# Allegro board FMDEMOD-Long.brd (continued)
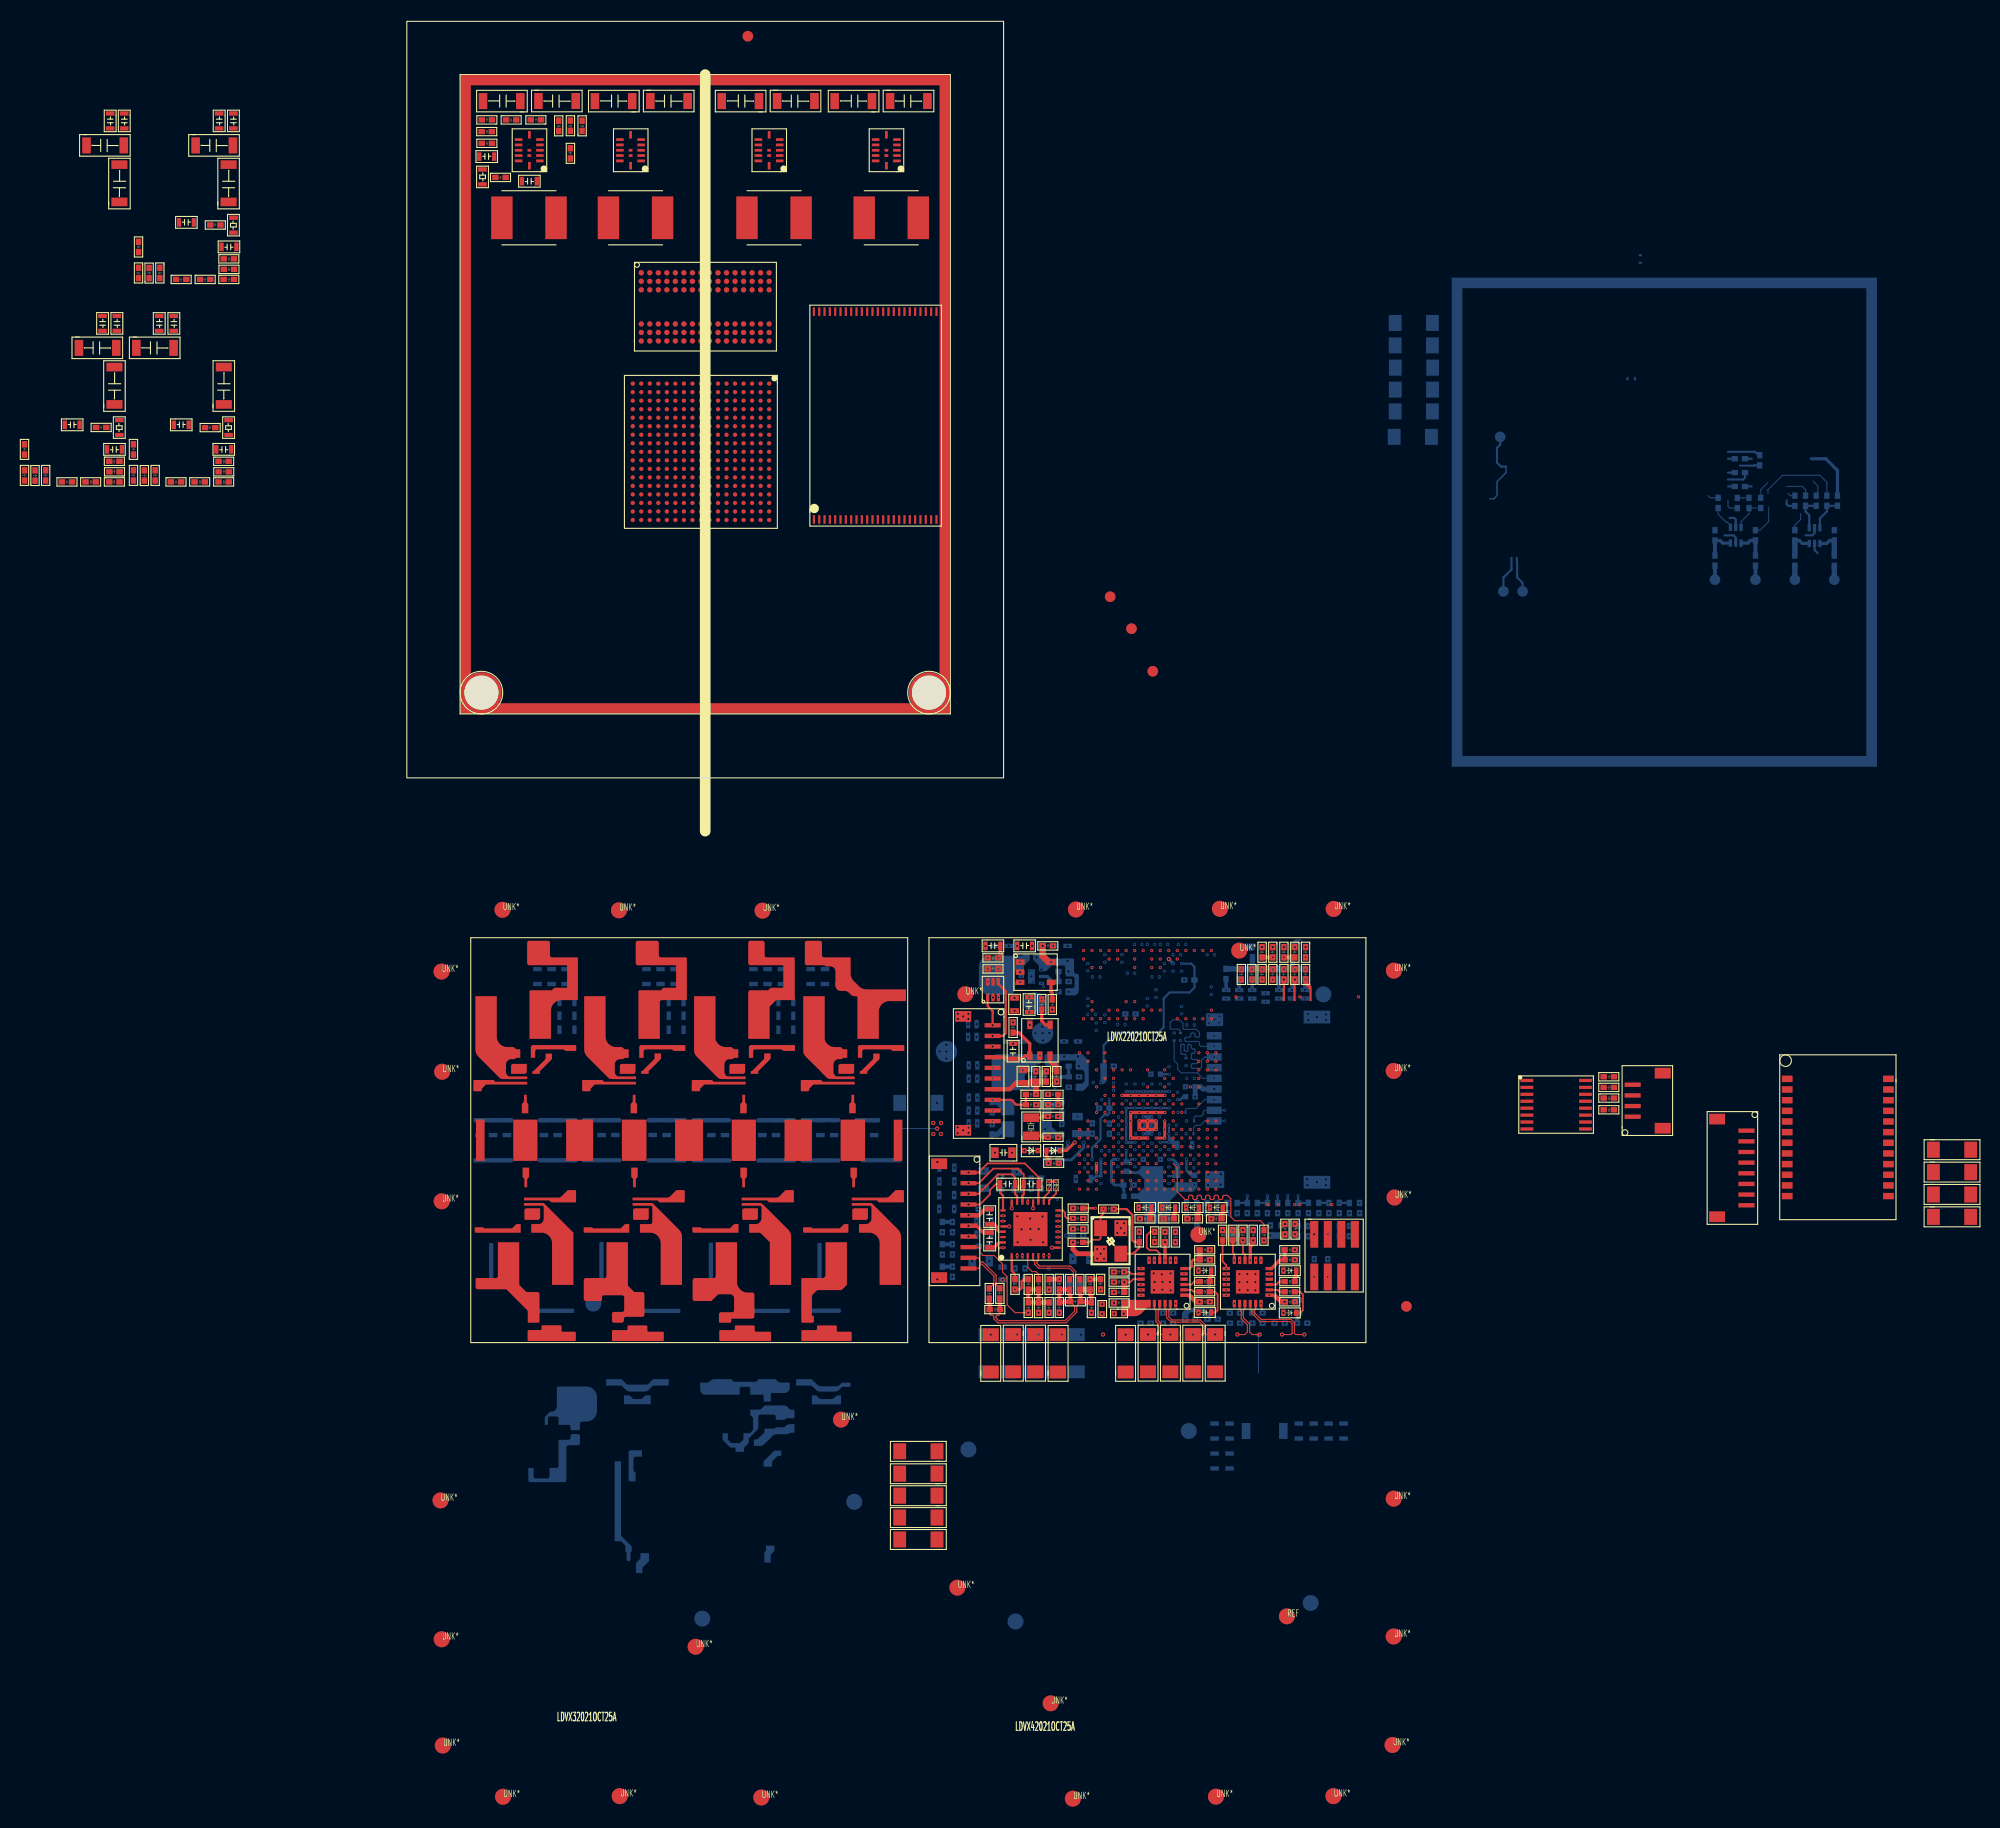
[diagram p0: board, top side]
## Footprints (pads in the part's own frame, mm; a bottom-side part is the same pattern mirrored in y, then rotated) (continued)
TSSOP-16
  rect 0.3x1.2 smd: 1(0,-5.5) 2(0.65,-5.5) 3(1.3,-5.5) 4(1.95,-5.5) 5(2.6,-5.5) 6(3.25,-5.5) 7(3.9,-5.5) 8(4.55,-5.5) 9(4.55,0) 10(3.9,0) 11(3.25,0) 12(2.6,0) 13(1.95,0) 14(1.3,0) 15(0.65,0) 16(0,0)
TSX-3225-4P
  rect 1.5x1.2 smd: 1(0.43,0.3) 2(2.83,0.3) 3(2.83,2.2) 4(0.43,2.2)
unnamed#2
  round 1.5 smd: (0,0)
VFBGA-96
  round 0.5 smd: A1(0,0) A2(0.8,0) A3(1.6,0) A7(4.8,0) A8(5.6,0) A9(6.4,0) B1(0,-0.8) B2(0.8,-0.8) B3(1.6,-0.8) B7(4.8,-0.8) B8(5.6,-0.8) B9(6.4,-0.8) C1(0,-1.6) C2(0.8,-1.6) C3(1.6,-1.6) C7(4.8,-1.6) C8(5.6,-1.6) C9(6.4,-1.6) D1(0,-2.4) D2(0.8,-2.4) D3(1.6,-2.4) D7(4.8,-2.4) D8(5.6,-2.4) D9(6.4,-2.4) E1(0,-3.2) E2(0.8,-3.2) E3(1.6,-3.2) E7(4.8,-3.2) E8(5.6,-3.2) E9(6.4,-3.2) F1(0,-4) F2(0.8,-4) F3(1.6,-4) F7(4.8,-4) F8(5.6,-4) F9(6.4,-4) G1(0,-4.8) G2(0.8,-4.8) G3(1.6,-4.8) G7(4.8,-4.8) G8(5.6,-4.8) G9(6.4,-4.8) H1(0,-5.6) H2(0.8,-5.6) H3(1.6,-5.6) H7(4.8,-5.6) H8(5.6,-5.6) H9(6.4,-5.6) J1(0,-6.4) J2(0.8,-6.4) J3(1.6,-6.4) J7(4.8,-6.4) J8(5.6,-6.4) J9(6.4,-6.4) K1(0,-7.2) K2(0.8,-7.2) K3(1.6,-7.2) K7(4.8,-7.2) K8(5.6,-7.2) K9(6.4,-7.2) L1(0,-8) L2(0.8,-8) L3(1.6,-8) L7(4.8,-8) L8(5.6,-8) L9(6.4,-8) M1(0,-8.8) M2(0.8,-8.8) M3(1.6,-8.8) M7(4.8,-8.8) M8(5.6,-8.8) M9(6.4,-8.8) N1(0,-9.6) N2(0.8,-9.6) N3(1.6,-9.6) N7(4.8,-9.6) N8(5.6,-9.6) N9(6.4,-9.6) P1(0,-10.4) P2(0.8,-10.4) P3(1.6,-10.4) P7(4.8,-10.4) P8(5.6,-10.4) P9(6.4,-10.4) R1(0,-11.2) R2(0.8,-11.2) R3(1.6,-11.2) R7(4.8,-11.2) R8(5.6,-11.2) R9(6.4,-11.2) T1(0,-12) T2(0.8,-12) T3(1.6,-12) T7(4.8,-12) T8(5.6,-12) T9(6.4,-12)
WSON-6
  rect 0.5x0.3 smd: 1(-0.952,0.648) 2(-0.952,-0.002) 3(-0.952,-0.652) 4(0.948,-0.652) 5(0.948,-0.002) 6(0.948,0.648)
  rect 0.65x1.35 smd: 7(0,0)

## Nets
3V3_AUDIO: C412.1 C419.1 L33.2 R268.2 U15.8 U15.10 U15.32
3V3_MCU: C515.2 C539.1 C591.1 U41.5(\VCC\) U42.5(\VCC\) U47.16(\VCC\)
5V_AUDIO: C401.2 C403.2 C404.1 C408.1 L31.2 U15.21 U15.26
GND: C1.1 C2.1 C3.1 C4.1 C5.1 C6.1 C7.1 C8.1 C9.1 C10.1 C11.1 C12.1 C13.2 C14.1 C15.1 C16.1 C17.1 C18.1 C19.1 C20.1 C21.2 C22.1 C23.1 C24.1 C25.1 C26.1 C27.2 C32.1 C33.1 C34.1 C35.1 C36.1 C37.1 C42.2 C43.2 C44.2 C45.2 C46.2 C47.1 C48.1 C49.1 C50.1 C51.1 C52.1 C53.1 C54.1 C55.1 C56.1 C57.1 C58.1 C59.1 C60.1 C92.1 C93.1 C94.2 C95.1 C96.2 C98.1 C99.2 C100.2 C101.2 C102.2 C110.2 C112.2 C113.2 C114.2 C245.2 C246.2 C247.2 C248.2 C249.1 C250.1 C251.1 C252.1 C253.2 C254.2 C255.2 C256.2 C257.2 C258.2 C259.2 C260.1 C261.1 C262.1 C263.1 C264.1 C265.1 C266.1 C267.1 C268.1 C269.1 C270.1 C271.1 C273.2 C274.2 C275.1 C276.1 C277.1 C278.2 C279.2 C280.2 C282.2 C283.1 C284.1 C285.1 C286.2 C287.2 C288.2 C289.2 C290.1 C291.1 C292.1 C294.2 C295.1 C296.1 C297.1 C298.1 C299.2 C300.2 C301.2 C302.2 C303.2 C304.2 C305.2 C306.2 C307.2 C308.2 C309.1 C310.2 C311.2 C312.2 C313.2 C314.2 C315.2 C316.2 C317.2 C318.2 C319.2 C320.2 C321.2 C322.1 C323.2 C324.2 C325.1 C326.1 C327.1 C328.1 C329.1 C330.1 C331.1 C332.1 C333.1 C334.1 C335.2 C336.2 C337.2 C338.1 C339.1 C340.1 C341.1 C342.1 C343.1 C344.1 C345.1 C346.1 C347.1 C348.1 C349.2 C350.2 C351.2 C352.2 C353.2 C354.2 C355.2 C356.2 C357.2 C358.2 C359.2 C360.2 C361.1 C362.2 C363.2 C388.2 C389.2 C390.1 C391.2 C392.2 C393.2 C395.2 C396.2 C397.2 C398.1 C399.2 C400.2 C405.2 C418.2 C430.2 C444.2 C475.2 C476.1 C477.1 C496.1 C497.1 C515.1 C539.2 C591.2 C607.2 C611.2 D26.2 D27.2 D28.2 D29.2 D30.2 D31.2 D32.2 D33.2 D34.2 D35.1 D36.1 D37.2 D38.2 D39.2 J1.3 J1.M1 J1.M2(\M2\) J5.6(\VSS\) J5.10 J5.11 J5.12 J5.13 J6.M1 J6.M2(\M2\) J21.M1 J21.M2(\M2\) R1.1 R4.1 R5.1 R6.1 R7.1 R8.1 R9.1 R16.2 R23.1 R24.1 R25.1 R26.1 R28.1 R31.1 R34.1 R37.1 R39.1 R40.1 R42.1 R44.1 R46.1 R79.2 R81.2 R93.1 R199.1 R200.1 R201.2 R203.2 R212.1 R213.1 R216.1 R222.1 R223.1 R228.2 R234.2 R236.1 R237.1 R239.1 R242.1 R243.1 R244.1 R246.1 R247.1 R249.1 R250.1 R251.1 R252.1 R253.1 R256.1 R259.1 R261.1 R262.1 R263.1 R266.2 R267.2 R271.1 R272.1 TP6.1(\TP\) TP7.1(\TP\) U1.2 U2.A9 U2.B1 U2.B3 U2.B9 U2.D1 U2.D8 U2.E1 U2.E2 U2.E8 U2.F9 U2.G1 U2.G8 U2.G9 U2.J2 U2.J8 U2.M1 U2.M9 U2.P1 U2.P9 U2.T1 U2.T9 U3.2 U4.2 U5.1 U5.12 U6.1 U6.12 U7.1 U7.12 U8.1 U8.12 U9.13 U9.25 U9.36 U9.48 U10.A1 U10.A17 U10.C3 U10.C7 U10.C11 U10.C15 U10.E8 U10.E11 U10.F6 U10.F7 U10.F8 U10.F9 U10.F10 U10.F11 U10.F12 U10.G3 U10.G5 U10.G7 U10.G12 U10.G15 U10.H7 U10.H12 U10.J5 U10.J7 U10.J12 U10.K7 U10.K12 U10.L3 U10.L7 U10.L12 U10.M7 U10.M8 U10.M9 U10.M10 U10.M11 U10.M12 U10.N3 U10.N5 U10.N7 U10.R3 U10.R5 U10.R7 U10.R11 U10.R16 U10.R17 U10.T14 U10.U1 U10.U14 U10.U17 U16.25 U17.25 U34.3 U34.7 U35.3 U35.7 U41.2 U42.2 U47.15 UNK3VBATTERY1.2 Y2.2 Y2.4
GNDA: C121.2 C122.2 C123.1 C394.2 C401.1 C402.2 C403.1 C404.2 C406.1 C407.1 C408.2 C409.2 C410.2 C411.2 C412.2 C417.2 C419.2 C424.2 C425.2 J2.7 J2.M1 J2.M2(\M2\) R103.1 R112.1 R254.2 R263.2 R264.2 R269.2 U15.9 U15.20 U15.24 U15.28 U15.33
VBAT_IN: C42.1 C43.1 C44.1 C45.1 C52.2 C53.2 C54.2 C55.2 C56.2 C57.2 C58.2 C59.2 C325.2 C326.2 C327.2 C328.2 C329.2 C330.2 C331.2 C332.2 C333.2 C334.2 C335.1 C336.1 C337.1 C338.2 C339.2 C340.2 C341.2 C342.2 C343.2 C344.2 C345.2 C346.2 C347.2 R27.2 R30.2 R33.2 R36.2 R41.2 R43.2 R45.2 R47.2 U5.3(\VIN#3\) U5.14 U6.3(\VIN#3\) U6.14 U7.3(\VIN#3\) U7.14 U8.3(\VIN#3\) U8.14
VDD_ARM_CAP: C323.1 C353.1 C355.1 C356.1 C357.1 U10.G9 U10.G10 U10.G11 U10.H11
VDD_COIN_3V: D2.2 R48.1 UNK3VBATTERY1.1
VDD_HIGH_CAP: C310.1 C317.1 C389.1 C396.1 U10.N6 U10.R14 U10.R15
VDD_HIGH_IN: C392.1 C405.1 L32.2 U10.N13
VDD_SNVS_3V3: C2.2 C3.2 D1.2 U1.5(\OUT\)
VDD_SNVS_IN: C363.1 D1.1(\CATHODE\) D2.1(\CATHODE\) R48.2 U10.P12
VDD_SOC_CAP: C311.1 C312.1 C313.1 C314.1 C315.1 C316.1 C320.1 C321.1 C352.1 C354.1 C358.1 U10.G8 U10.H8 U10.J8 U10.J11 U10.K8 U10.K11 U10.L8 U10.L9 U10.L10 U10.L11
VDD_SOC_IN: C295.2 C296.2 C318.1 C319.1 C324.1 C350.1 C351.1 R219.1 R221.2 R224.1 U10.H9 U10.H10 U10.J9 U10.J10 U10.K9 U10.K10 U35.1
VDD_SOC_IN_IN: C297.2 C298.2 R219.2 TP9.1(\TP\) U35.4 U35.6
VDD_SOC_IN_PWR: C8.2 C9.2 C19.2 C25.2 C40.1 C263.2 C264.2 C265.2 C275.2 C283.2 C290.2 L4.2 R19.2
VDDA_ADC_3P3: C362.1 C391.1 L28.2 U10.L13 U10.M13
232_TXD: J21.2 R345.1 R368.2
A0: U2.N3 U10.L5
A1: U2.P7 U10.H2
A2: U2.P3 U10.K1
A3: U2.N2 U10.M2
A4: U2.P8 U10.K4
A5: U2.P2 U10.L1
A6: U2.R8 U10.G2
A7: U2.R2 U10.H4
A8: U2.T8 U10.J4
A9: U2.R3 U10.L2
A10: U2.L7 U10.M4
A11: U2.R7 U10.K3
A12: U2.N7 U10.L4
A13: U2.T3 U10.H3
A14: U2.T7 U10.G1
A15: U2.M7 U10.K5
ARM_ONOFF: R90.2 U10.R8
AUD_INT: U10.P9 U15.15
AUDIO_OUT: R114.1
BA0: U2.M2 U10.M1
BA1: U2.N8 U10.H1
BA2: U2.M3 U10.K2
BOOT_MODE0: R226.2 R227.2 U10.T10
BOOT_MODE1: R232.2 R233.2 U10.U10
CAS: U2.K3 U10.J2
CK0N: R211.1 U2.K7 U10.P2
CK0P: R211.2 U2.J7 U10.P1
CKE0: R199.2 U2.K9 U10.M3
CKE1: R200.2 U2.J9 U10.J3
CPU_RST_FPGA: TP45.1(\TP\) U10.N17
CPU_RST_MCU: R281.2 U10.M15
CPU_UART1_RXD: U3.6 U10.K16
CPU_UART1_TXD: U3.3 U10.K14
CPU_UART2_RXD: R285.2 R312.1
CPU_UART2_TXD: R284.2 R318.1
CPU_UART3_RXD: R117.2 U10.H16
CPU_UART3_TXD: R283.2 U10.H17
CPU_UART4_RXD: R282.1 U10.G16
CPU_UART4_RXD_X: R282.2 R376.1
CPU_UART4_TXD: R286.1 U10.G17
CPU_UART4_TXD_X: R286.2 R296.1
CS0: U2.L2 U10.N2
CS1: U2.L1 U10.H5
D0: U2.E3 U10.T4
D1: U2.F7 U10.U6
D2: U2.F2 U10.T6
D3: U2.F8 U10.U7
D4: U2.H3 U10.U8
D5: U2.H8 U10.T8
D6: U2.G2 U10.T5
D7: U2.H7 U10.U4
D8: U2.D7 U10.U2
D9: U2.C3 U10.U3
D10: U2.C8 U10.U5
D11: U2.C2 U10.R4
D12: U2.A7 U10.P5
D13: U2.A2 U10.P3
D14: U2.B8 U10.R2
D15: U2.A3 U10.R1
DCDC_3V3: C13.1 C14.2 C15.2 C16.2 C92.2 C93.2 C247.1 C248.1 C418.1 J5.4 L11.1 L23.1 L24.1 L25.1 L26.1 L27.1 L28.1 L29.1 L30.1 L32.1 L33.1 R2.1 R3.1 R21.2 R73.1 R74.1 R82.1 R83.1 R84.1 R85.1 R90.1 R205.1 R206.1 R207.1 R208.1 R209.1 R210.1 R226.1 R232.1 R245.1 R248.1 R255.1 R257.1 R260.1 TP10.1(\TP\) U3.5(\VCC\) U9.12 U9.34 U9.37 U9.39
DCDC_3V3_PWR: C6.2 C7.2 C18.2 C24.2 C39.1 C266.2 C267.2 C268.2 C276.2 C284.2 C291.2 L3.2 R18.2
DCDC_5V: C1.2 C12.2 C21.1 C398.2 L1.1 L6.1 L31.1 R10.1 R11.1 TP8.1(\TP\) U1.1 U1.3 U4.5
DCDC_5V_PWR: C4.2 C5.2 C17.2 C23.2 C38.1 C269.2 C270.2 C271.2 C277.2 C285.2 C292.2 L2.2 R17.2
DQM0: U2.E7 U10.T7
DQM1: U2.D3 U10.T3
DRAM_1V35: C245.1 C246.1 C249.2 C250.2 C253.1 C254.1 C255.1 C256.1 C258.1 C259.1 C274.1 C278.1 C279.1 C280.1 C282.1 C286.1 C287.1 C288.1 C289.1 C293.1 C303.1 C304.1 C305.1 C306.1 C307.1 C308.1 R202.1 R204.2 R214.1 R215.2 U2.A1 U2.A8 U2.B2 U2.C1 U2.C9 U2.D2 U2.D9 U2.E9 U2.F1 U2.G7 U2.H2 U2.H9 U2.K2 U2.K8 U2.N1 U2.N9 U2.R1 U2.R9 U10.G6 U10.H6 U10.J6 U10.K6 U10.L6 U10.M6 U34.1
DRAM_1V35_IN: C251.2 C252.2 R202.2 TP5.1(\TP\) U34.4 U34.6
DRAM_1V35_PWR: C10.2 C11.2 C20.2 C26.2 C41.1 C260.2 C261.2 C262.2 L5.2 R20.2
DRAM_VREF: C257.1 C273.1 C293.2 C294.1 C299.1 C302.1 R215.1 R216.2 U2.H1 U2.M8 U10.P4
E1R+: R128.2 T1.2
E1R-: R127.2 T1.3
E1T+: R126.2 T1.5
E1T-: R125.2 T1.6
E2R+: R124.2 T1.8
E2R-: R123.2 T1.9
E2T+: R122.2 T1.11
E2T-: R121.2 T1.12
ECSPI3_CS0: R284.1 U10.J17
ECSPI3_MISO: R116.1 U10.H14
ECSPI3_MOSI: R115.1 U10.J15
ECSPI3_SCLK: R285.1 U10.J16
ENET1_CRS_DV: U10.E16 U17.11
ENET1_LED1: R99.1 U17.3
ENET1_LED2: R108.1 U17.2
ENET1_NINT: R265.1 U10.N8 U17.14
ENET1_NRST: C430.1 R270.1 U10.N10 U17.15
ENET1_RX+: J6.8 T1.23
ENET1_RX-: J6.7 T1.22
ENET1_RXD0: U10.F16 U17.8
ENET1_RXD1: U10.E17 U17.7
ENET1_RXER: R93.2 U10.D15 U17.10
ENET1_RXN: R127.1 R276.1 U17.22
ENET1_RXP: R128.1 R275.1 U17.23
ENET1_TX+: J6.6 T1.20
ENET1_TX-: J6.5 T1.19
ENET1_TX_CLK: R94.2 U10.F14
ENET1_TXD0: U10.E15 U17.17
ENET1_TXD1: U10.E14 U17.18
ENET1_TXEN: U10.F15 U17.16
ENET1_TXN: R125.1 R278.1 U17.20
ENET1_TXP: R126.1 R277.1 U17.21
ENET2_CRS_DV: U10.B17 U16.11
ENET2_LED1: R98.1 U16.3
ENET2_LED2: R107.1 U16.2
ENET2_NINT: R97.1 U10.N11 U16.14
ENET2_NRST: C110.1 R100.1 U10.N9 U16.15
ENET2_RX+: J6.4 T1.17
ENET2_RX-: J6.3 T1.16
ENET2_RXD0: U10.C17 U16.8
ENET2_RXD1: U10.C16 U16.7
ENET2_RXER: R95.1 U10.D16 U16.10
ENET2_RXN: R123.1 R274.1 U16.22
ENET2_RXP: R124.1 R273.1 U16.23
ENET2_TX+: J6.2 T1.14
ENET2_TX-: J6.1 T1.13
ENET2_TX_CLK: R96.2 U10.D17
ENET2_TXD0: U10.A15 U16.17
ENET2_TXD1: U10.A16 U16.18
ENET2_TXEN: U10.B15 U16.16
ENET2_TXN: R121.1 R280.1 U16.20
ENET2_TXP: R122.1 R279.1 U16.21
ENET_MDC: R91.1 U10.L16 U16.13 U17.13
ENET_MDIO: R92.1 U10.K17 U16.12 U17.12
FPGA_RST_CPU: TP46.1(\TP\)
FPGA_RST_MCU: R152.2
FPGA_SPI2_CS: R147.2
FPGA_SPI2_MISO: R333.2
FPGA_SPI2_MOSI: R149.2
FPGA_SPI2_SCLK: R325.2
FPGA_SPI_CS: R318.2
FPGA_SPI_MISO: R143.2
FPGA_SPI_MOSI: R141.2
FPGA_SPI_SCLK: R312.2
FPGA_UART2_RXD: TP50.1(\TP\)
FPGA_UART2_TXD: TP49.1(\TP\)
FPGA_UART_RXD: R296.2
FPGA_UART_TXD: R376.2
GPIO1_IO1: D5.1(\CATHODE\) U10.L15
GPIO1_IO2: D6.1(\CATHODE\) U10.L14
GPIO1_IO3: D3.1(\CATHODE\) U10.L17
GPIO1_IO4: D4.1(\CATHODE\) U10.M16
HP_L: C97.1 U15.31
HP_R: C83.1 U15.29
HPD: R268.1 R269.1 U15.7
I2C2_SCL: R74.2 U10.F17 U15.17
I2C2_SDA: R73.2 U10.G13 U15.18
LASER_TXD: J21.3 R335.1 R372.2
LCD_DATA0: R1.2 R2.2 U10.B9
LCD_DATA1: R3.2 R4.2 U10.A9
LCD_DATA2: R5.2 U10.E10
LCD_DATA3: R8.2 U10.D10
LCD_DATA4: R9.2 U10.C10
LCD_DATA5: R241.1 R242.2 U10.B10
LCD_DATA6: R237.2 R238.1 U10.A10
LCD_DATA7: R236.2 R258.1 U10.D11
LCD_DATA8: R244.2 U10.B11
LCD_DATA9: R243.2 U10.A11
LCD_DATA10: R7.2 U10.E12
LCD_DATA11: R239.2 R240.1 U10.D12
LCD_DATA12: R259.2 U10.C12
LCD_DATA13: R247.2 R248.2 U10.B12
LCD_DATA14: R245.2 R246.2 U10.A12
LCD_DATA15: R6.2 U10.D13
LCD_DATA16: R261.2 U10.C13
LCD_DATA17: R251.2 U10.B13
LCD_DATA18: R249.2 U10.A13
LCD_DATA19: R253.2 U10.D14
LCD_DATA20: R262.2 U10.C14
LCD_DATA21: R252.2 U10.B14
LCD_DATA22: R250.2 U10.A14
LCD_DATA23: R256.2 U10.B16
MCU_RST_CPU: R120.1
MCU_RST_FPGA: TP43.1(\TP\)
MCU_SPI2_MISO: R333.1
MCU_SPI2_MOSI: R149.1
MCU_SPI2_NSS: R147.1
MCU_SPI2_SCK: R325.1
MCU_UART1_RXD: R283.1
MCU_UART1_TXD: R117.1
MCU_UART3_RXD: R331.1
MCU_UART3_TXD: R324.1
MCU_UART4_RXD: R338.1 TP47.1(\TP\)
MCU_UART4_TXD: R332.1 TP48.1(\TP\)
MIC1_IN: J2.8 R111.2 R114.2
MIC1P: C107.2 U15.4
MIC2N: C108.2 U15.5
MIC2N_IN: J2.9 R110.1
MIC2N_IN2: C108.1 C111.2 C122.1 R104.2 R110.2 R113.1
MIC2P: C109.2 U15.6
MIC2P_IN: J2.10 R109.2
MIC2P_IN2: C109.1 C111.1 C123.2 R105.1 R109.1 R113.2
MICBIAS: R101.1 U15.1
NAND_ALE: U9.17 U10.B4
NAND_CLE: U9.16 U10.A4
NAND_D0: U9.29 U10.D7
NAND_D1: U9.30 U10.B7
NAND_D2: U9.31 U10.A7
NAND_D3: U9.32 U10.D6
NAND_D4: U9.41 U10.C6
NAND_D5: U9.42 U10.B6
NAND_D6: U9.43 U10.A6
NAND_D7: U9.44 U10.A5
NAND_DQS: U9.35 U10.E6
NAND_NCE0: R255.2 U9.9 U10.C5
NAND_NRDY: R257.2 U9.7 U10.A3
NAND_NRE: U9.8 U10.D8
NAND_NWE: U9.18 U10.C8
NAND_NWP: R260.2 U9.19(\W\\P\\\) U10.D5
NRST_CPU: C46.1 R21.1 R120.2 U10.P8(\P\\O\\R\\\)
NRST_FPGA: TP44.1(\TP\)
NRST_MCU: R152.1 R281.1
NVCC_CSI: C300.1 L23.2 U10.F4
NVCC_ENET: C393.1 C400.1 L30.2 U10.F13
NVCC_GPIO: C360.1 L27.2 U10.J13
NVCC_LCD: C388.1 C395.1 L29.2 U10.E13
NVCC_NAND: C309.2 L25.2 U10.E7
NVCC_SD: C301.1 L24.2 U10.C4
NVCC_UART: C359.1 L26.2 U10.H13
ODT0: U2.K1 U10.N1
ODT1: U2.J1 U10.F1
PHY1_3V3: C113.1 C444.1 L34.2 R275.2 R276.2 R277.2 R278.2 U17.1 U17.19
PHY2_3V3: C112.1 C114.1 L12.2 R273.2 R274.2 R279.2 R280.2 U16.1 U16.19
PHY_UART_RX1: J21.4 R348.1 R371.2
PMIC_ON_REQ: R225.2 U10.T9
POWER_GOOD: R32.1 R44.2 R45.1 R46.2 R47.1 U6.5 U7.9 U8.9
RAS: U2.J3 U10.M5
RST_B: R213.2 U2.T2 U10.G4
SAI2_BCLK: U10.N16 U15.12
SAI2_MCLK: U10.P14 U15.11
SAI2_RXD: R81.1 U10.M14 U15.16
SAI2_SYNC: U10.N15 U15.13
SAI2_TXD: U10.N14 U15.14
SD1_CD: D31.1 J5.9 R210.2 U10.J14
SD1_CLK: R218.1 U10.C1
SD1_CMD: R229.1 U10.C2
SD1_DATA0: R220.1 U10.B3
SD1_DATA1: R217.1 U10.B2
SD1_DATA2: R235.1 U10.B1
SD1_DATA3: R230.1 U10.A2
SDQS0N: C281.2 U2.G3 U10.P7
SDQS0P: C281.1 U2.F3 U10.P6
SDQS1N: C272.2 U2.B7 U10.T2
SDQS1P: C272.1 U2.C7 U10.T1
SDWE: U2.L3 U10.J1
SPK_LN: C73.2 C406.2 J2.3 U15.23
SPK_LP: C73.1 C407.2 J2.4 U15.25
SPK_RN: C74.2 C394.1 J2.1 U15.19
SPK_RP: C74.1 C402.1 J2.2 U15.22
TTL_TXD: J21.1 R350.1 R369.2
USB_OTG1_DN: D38.1 J1.9 U10.T15
USB_OTG1_DP: D39.1 J1.10 U10.U15
USB_OTG1_ID: D37.1 J1.8 R22.1 R39.2 U10.K13
USB_OTG1_VBUS: C36.2 C37.2 C390.2 J1.7 L6.2 R22.2 U10.T12
USB_OTG2_DN: D35.2 J1.5 U10.T13
USB_OTG2_DP: D36.2 J1.6 U10.U13
USB_OTG2_VBUS: C361.2 L1.2 U10.U12
USB_VBUS: C27.1 J1.4 R11.2 U4.1(\OUT\)
VENET_3V3: C94.1 C96.1 D7.2 D8.2 D9.2 D10.2 L11.2 L12.1 L34.1 R91.2 R92.2 R95.2 R97.2 R100.2 R265.2 R270.2 U16.9 U17.9
XTALI: C95.2 R80.1 U10.T16 Y2.3
XTALO: C98.2 R80.2 U10.T17 Y2.1
ZQ0: R203.1 U2.L8(\ZQ\)
ZQ1: R201.1 U2.L9
ZQPAD: R223.2 U10.N4
N4007879: C349.1 U10.N12
N4008796: C397.1 C399.1 U10.P13
N4087915: C51.2 U10.T11 Y1.2
N4087935: C60.2 U10.U11 Y1.1
N4129499: D3.2 R82.2
N4198004: C322.2 C348.2 U10.R12
N4201231: C424.1 U15.3
N4201841: C425.1 U15.2
N4206925: R79.1 U10.P15
N4209990: R271.2 U17.24
N4216158: D8.1(\CATHODE\) R99.2
N4216162: D10.1(\CATHODE\) R108.2
N4216453: C100.1 C101.1 U17.6
N4219956: R94.1 U17.5
N4226540: D7.1(\CATHODE\) R98.2
N4226544: D9.1(\CATHODE\) R107.2
N4226630: C99.1 C102.1 U16.6
N4226754: R272.2 U16.24
N4226762: R96.1 U16.5
N4244964: C476.2 T1.1
N4245046: C497.2 T1.10
N4245050: C477.2 T1.4
N4245054: C496.2 T1.7
N4254817: R300.1 T1.24
N4254839: R301.1 T1.21
N4254858: R302.1 T1.18
N4255061: R303.1 T1.15
N4255753: C475.1 R300.2 R301.2 R302.2 R303.2
N4949904: D4.2 R83.2
N4950154: D5.2 R84.2
N4950158: D6.2 R85.2
N4962302: R10.2 U4.4
N4962318: R16.1 U4.3
N4966591: C431.1 R105.2 R106.1
N4966598: C431.2 R103.2 R104.1
N4966923: R101.2 R102.2 R106.2
N4969505: C409.1 C411.1 U15.27(\VMID\)
N4971120: C107.1 C121.1 R102.1 R111.1 R112.2
N6357472: C97.2 C417.1 J2.6 R264.1
N6357497: C83.2 C410.1 J2.5 R254.1
N7057664: J3.1 R267.1
N7057668: J3.2 R266.1
N7060478: J3.7 R238.2 R240.2
N7060523: J3.8 R241.2 R258.2
N7084975: D26.1 J5.1 R205.2 R235.2
N7085009: D27.1 J5.2 R206.2 R230.2
N7085027: D28.1 J5.3 R207.2 R229.2
N7085069: D32.1 J5.5 R218.2
N7085119: D29.1 J5.7 R208.2 R220.2
N7085137: D30.1 J5.8 R209.2 R217.2
N7099288: D33.1 J1.1 U3.1
N7119824: C596.1 U47.1
N7119928: C601.1 U47.4
N7119940: C607.1 U47.2
N7119964: C596.2 U47.3
N7119992: C611.1 U47.6
N7120000: C601.2 U47.5
N7120004: R322.2 R324.2 U41.3
N7120715: R322.1 TP53.1(\TP\)
N7120840: R329.1 TP54.1(\TP\)
N7121019: R336.1 TP51.1(\TP\)
N7121024: R330.1 TP52.1(\TP\)
N7132397: R371.1 U47.14
N7132401: R368.1 U47.7
N7132405: R372.1 U47.13
N7132409: R369.1 U47.8
N7132815: R349.2 R350.2 U42.3
N7132819: R334.2 R335.2 U42.1
N7301618: R329.2 R331.2 U42.4
N7301681: R330.2 R332.2 U41.1
N7301693: R336.2 R338.2 U42.6
N7303091: R346.1 U47.11
N7303129: R347.1 U47.10
N7303150: R349.1 U47.12
N7303177: R334.1 U47.9
N7304159: R345.2 R346.2 U41.4
N7304177: R347.2 R348.2 U41.6
N7355971: R115.2 R141.1
N7356015: R116.2 R143.1
N7869909: D34.1 J1.2 U3.4
N8015227: R227.1 R228.1
N8015335: R233.1 R234.1
N8184194: R27.1 R28.2 U5.4
N8184251: R40.2 R41.1 U5.9
N8184327: C35.2 R29.2 U5.11
N8184405: R29.1 U5.5
N8184729: C47.2 U5.6
N8185005: R12.1 U5.10
N8185024: C28.1 L2.1 U5.2 U5.13
N8185070: C28.2 R12.2
N8185163: C38.2 U5.8
N8185326: R17.1 R23.2 U5.7
N8189530: R13.1 U6.10
N8189538: C29.2 R13.2
N8189634: C29.1 L3.1 U6.2 U6.13
N8189912: R30.1 R31.2 U6.4
N8189916: R42.2 R43.1 R225.1 U6.9
N8189928: C39.2 U6.8
N8189952: R18.1 R24.2 U6.7
N8190068: C32.2 R32.2 U6.11
N8190080: C48.2 U6.6
N8193321: R14.1 U7.10
N8193329: C30.2 R14.2
N8193425: C30.1 L4.1 U7.2 U7.13
N8193703: R33.1 R34.2 U7.4
N8193719: C40.2 U7.8
N8193743: R19.1 R25.2 U7.7
N8193859: C33.2 R35.2 U7.11
N8193871: C49.2 U7.6
N8193943: R35.1 U7.5
N8195603: R15.1 U8.10
N8195611: C31.2 R15.2
N8195707: C31.1 L5.1 U8.2 U8.13
N8195985: R36.1 R37.2 U8.4
N8196001: C41.2 U8.8
N8196025: R20.1 R26.2 U8.7
N8196141: C34.2 R38.2 U8.11
N8196153: C50.2 U8.6
N8196225: R38.1 U8.5
N8206279: C22.2 U1.4
N8420934: R204.1 R212.2 U34.2
N8425431: R214.2 U34.5(\PG\)
N8429190: R224.2 U35.5(\PG\)
N8429316: R221.1 R222.2 U35.2

Pads without a net: J3 3 4 5 6; U9 1 2 3 4 5 6 10 11 14 15 20 21 22 23 24 26 27 28 33 38 40 45 46 47; U10 A8 B5 B8 C9 D1 D2 D3 D4 D9 E1 E2 E3 E4 E5 E9 F2 F3 F5 G14 H15 K15 M17 P10 P11 P16 P17 R6 R9 R10 R13 U9 U16; U15 30; U16 4; U17 4

## Via types
v1: diameter 0.3, hole 0.15, SIGNAL-L8 to BOTTOM, 12 vias
v2: diameter 0.4, hole 0.2, SIGNAL-L8 to BOTTOM, 6 vias
v3: diameter 0.3, hole 0.15, TOP to SIGNAL-L3, 25 vias
v4: diameter 0.4, hole 0.2, SIGNAL-L3 to BOTTOM, 18 vias
v5: diameter 0.3, hole 0.15, TOP to SIGNAL-L8, 39 vias
v6: diameter 0.4, hole 0.2, TOP to SIGNAL-L3, 22 vias
v7: diameter 0.3, hole 0.15, TOP to SIGNAL-L4, 51 vias
v8: diameter 0.3, hole 0.15, TOP to SIGNAL-L7, 64 vias
v9: diameter 0.3, hole 0.15, SIGNAL-L7 to BOTTOM, 21 vias
v10: diameter 0.3, hole 0.15, TOP to PWR-L6, 78 vias
v11: diameter 0.3, hole 0.15, PWR-L6 to BOTTOM, 83 vias
v12: diameter 0.4, hole 0.2, PWR-L6 to BOTTOM, 55 vias
v13: diameter 0.4, hole 0.2, TOP to PWR-L6, 47 vias
v14: diameter 0.4, hole 0.2, TOP to BOTTOM, 7 vias
v15: diameter 0.4, hole 0.2, SIGNAL-L4 to BOTTOM, 14 vias
v16: diameter 0.4, hole 0.2, TOP to SIGNAL-L4, 11 vias
v17: diameter 0.3, hole 0.15, SIGNAL-L4 to BOTTOM, 7 vias
v18: diameter 0.4, hole 0.2, SIGNAL-L7 to BOTTOM, 10 vias
v19: diameter 0.4, hole 0.2, TOP to SIGNAL-L7, 5 vias
v20: diameter 0.3, hole 0.15, SIGNAL-L3 to BOTTOM, 3 vias
v21: diameter 0.4, hole 0.2, TOP to SIGNAL-L8, 3 vias
v22: diameter 0.3, hole 0.15, TOP to GND-L2, 69 vias
v23: diameter 0.4, hole 0.2, TOP to GND-L9, 77 vias
v24: diameter 0.4, hole 0.2, TOP to GND-L2, 26 vias
v25: diameter 0.4, hole 0.2, TOP to GND-L5, 3 vias
v26: diameter 0.3, hole 0.15, TOP to GND-L9, 4 vias
v27: diameter 0.3, hole 0.15, TOP to GND-L5, 1 via
v28: diameter 0.4, hole 0.2, GND-L2 to BOTTOM, 26 vias
v29: diameter 0.3, hole 0.15, GND-L9 to BOTTOM, 92 vias
v30: diameter 0.4, hole 0.2, GND-L9 to BOTTOM, 77 vias

## Routing (per net, layer and track width the routed paths; a pad name or vN(x,y) marks a point on that pad's centre or on a via; arc(x,y) is an arc through that point)
3V3_AUDIO: length 15.1
  PWR-L6 w0.26: v8(61.11,-43.59) 61.11,-44.81 61.02,-44.89 60.97,-44.84 v8(60.27,-44.84) 59.56,-45.55 ; v12(54.65,-45.36) 55.2,-45.91 v12(55.9,-45.91) 56.23,-45.58 56.23,-45.55 56.49,-45.29 57.93,-45.29 58.54,-45.91
  SIGNAL-L7 w0.26: v8(61.11,-43.59) 61.39,-43.88 61.39,-44.3 60.85,-44.84 v8(60.27,-44.84) 56.3,-44.84 55.9,-45.24 v12(55.9,-45.91)
  vias: v10(55.95,-44.09) v12(51.19,-46.83) v12(54.63,-43.98) v12(60.26,-46.07)
3V3_MCU: length 15.3
  PWR-L6 w0.2: 67.7,-74.05 67.7,-74.37 67.5,-74.57 67.5,-75.3
  PWR-L6 w0.3: 55.51,-60.59 55.51,-60.88 55.35,-61.04 55.35,-61.31 ; 87.02,-80.28 87.02,-79.26 86.88,-79.13 86.88,-78.2 ; 52.64,-83.19 52.64,-82.62 52.38,-82.37 52.38,-81.89 ; 69.4,-70.9 70.19,-70.9 70.67,-71.39 71.31,-71.39 71.31,-71.76 71.08,-71.98 71.08,-72.55 ; 66.45,-62.93 67.28,-62.93 67.75,-63.4 69.4,-63.4
  BOTTOM w0.2: U42.5 124.7,22.56 124.5,22.76 123.66,22.76 ; U41.5 132.1,22.97 131.9,22.77 131.26,22.77
5V_AUDIO:
  vias: v10(55.95,-41.09) v10(58.27,-39.81) v12(54.63,-40.48) v12(55.68,-38.62) v12(57.22,-38.59) v12(58.59,-38.57) v12(59.56,-38.56)
GND: length 45.7
  TOP w0.45: v23(62.51,-43.59) 62.51,-44.25 62.92,-44.66 v23(65.1,-44.66)
  GND-L2 w0.1: v22(64.72,-30.6) 65.12,-30.2 65.92,-30.2 v22(66.32,-30.6) ; v22(71.12,-29) 70.72,-28.61 69.92,-28.61 v22(69.52,-29) ; v22(67.12,-33.8) 66.74,-33.42 65.1,-33.42 v22(64.72,-33.8) ; v22(71.12,-37) 71.51,-36.61 74.71,-36.61 ; 74.71,-36.61 v22(74.32,-37) ; 74.71,-36.61 76.37,-36.61 ; 64.31,-26.99 65.91,-26.99 ; 64.31,-26.99 v22(64.72,-27.4) ; 64.31,-26.99 60.56,-26.99 v23(60.01,-27.54) ; 65.91,-26.99 67.51,-26.99 v22(67.92,-27.4) ; 65.91,-26.99 v22(66.32,-27.4) ; v22(66.32,-29) 65.95,-28.63 64.35,-28.63 ; v22(72.72,-33.8) 73.13,-33.39 73.91,-33.39 v22(74.32,-33.8) ; v25(60.99,-28.5) 61.37,-28.5 61.49,-28.63 64.35,-28.63 ; 64.35,-28.63 v22(64.72,-29)
  BOTTOM w0.1: 79.92,-55.85 v30(79.92,-52.28) ; 46.27,-32.91 v14(49.77,-32.91)
  BOTTOM w0.2: U42.2 124.7,24.24 124.54,24.4 124.15,24.4 124.14,24.39 ; C607.2 126.2,29.95 ; C611.2 126.2,27.35 ; U41.2 132.1,21.38 132.38,21.1
  BOTTOM w0.38: v30(83.83,-15.35) 83.44,-15.35 83.06,-15.73 C247.2 ; C248.2 v30(78.78,-15.86)
  vias: v14(49.39,-32.39) v14(49.4,-33.43) v14(50.14,-32.39) v14(50.12,-33.42) v22(63.12,-25.8) v22(63.12,-36.2) v22(63.12,-38.6) v22(63.5,-16.2) v22(63.92,-36.2) v22(64.3,-16.2) v22(64.3,-21) v22(64.3,-22.6) v22(64.72,-37.8) v22(64.72,-38.6) v22(65.9,-17) v22(65.9,-22.6) v22(66.7,-17) v22(66.7,-21.8) v22(66.7,-22.6) v22(67.12,-30.6) v22(67.12,-31.4) v22(67.12,-32.2) v22(67.12,-33) v22(67.12,-34.6) v22(67.5,-16.2) v22(67.92,-30.6) v22(67.92,-34.6) v22(68.3,-16.2) v22(68.3,-17) v22(68.3,-22.6) v22(68.72,-30.6) v22(68.72,-34.6) v22(69.52,-30.6) v22(69.52,-34.6) v22(69.9,-21.8) v22(70.32,-30.6) v22(70.32,-34.6) v22(71.12,-27.4) v22(71.12,-30.6) v22(71.12,-34.6) v22(71.92,-29.8) v22(71.92,-30.6) v22(71.92,-31.4) v22(71.92,-32.2) v22(71.92,-33) v22(71.92,-33.8) v22(71.92,-34.6) v22(72.3,-16.2) v22(72.3,-22.6) v22(72.72,-31.4) v22(73.9,-16.2) v22(73.9,-22.6) v22(74.32,-27.4) v22(74.32,-30.6) v22(75.5,-16.2) v22(75.5,-22.6) v22(75.92,-25.8) v22(75.92,-38.6) v23(51.71,-22.15) v23(51.72,-22.62) v23(51.69,-32.81) v23(51.69,-33.35) v23(52.21,-22.39) v23(52.21,-33.08) v23(52.69,-22.15) v23(52.69,-22.62) v23(52.72,-32.81) v23(52.7,-33.31) v23(54.3,-15.8) v23(54.52,-16.89) v23(54.53,-17.93) v23(54.97,-25.22) v23(55.18,-35.18) v23(56.89,-24.95) v23(57.27,-15.77) v23(58.4,-20.57) v23(59.02,-27.54) v23(59.05,-30.67) v23(59.41,-26.08) v23(60.63,-15.77) v23(61.12,-33.73) v23(62.52,-40.38) v23(64.78,-44.22) v23(64.78,-45.13) v23(65.41,-44.2) v23(65.42,-45.13) v23(66.36,-48.29) v23(66.36,-49.28) v23(75.35,-49.17) v23(78.13,-46.56) v23(78.31,-17.97) v23(78.46,-42.43) v23(78.87,-46.56) v23(78.86,-47.31) v23(78.91,-48.07) v23(79.29,-17.97) v23(79.63,-46.57) v23(79.62,-47.32) v23(79.62,-48.09) v23(80.26,-15.89) v23(80.26,-17.97) v23(81.26,-17.97) v23(82.3,-17.97) v23(82.4,-42.84) v23(83.33,-15.89) v23(83.33,-17.97) v23(83.33,-44.29) v23(83.33,-45.23) v23(83.35,-42.83) v23(84.33,-15.89) v23(84.33,-17.97) v24(55.01,-20.61) v24(60.16,-30.67) v24(61.12,-31.77) v24(63.47,-41.34) v24(66.67,-41.78) v24(66.67,-42.71) v24(67,-42.26) v24(67.29,-41.8) v24(67.33,-42.72) v24(68.73,-42.6) v24(70.08,-46.5) v24(70.12,-48.07) v24(70.18,-47.32) v24(70.84,-46.59) v24(70.9,-47.3) v24(70.89,-48.03) v24(71.15,-42.61) v24(71.61,-47.32) v24(71.67,-46.51) v24(71.68,-48.1) v24(75.35,-44.29) v24(75.35,-45.23) v24(78.12,-47.33) v24(78.14,-48.06) v24(79.42,-42.44) v24(83.33,-49.17) v25(57.55,-18.24) v25(60.57,-21.75) v26(77.8,-20.55) v26(83.8,-20.55) v26(83.8,-40.05) v26(89.3,-20.55) v27(69.9,-17) v28(52.67,-23.11) v28(52.67,-24.32) v28(52.73,-26.97) v28(52.73,-28.22) v28(52.74,-30) v28(52.73,-31.22) v28(52.73,-32.42) v28(55.18,-15.77) v28(56.49,-15.77) v28(70.95,-50.22) v28(73.16,-40.86) v28(74.13,-40.86) v28(74.13,-42.95) v28(74.39,-47.27) v28(75.09,-40.86) v28(76.04,-40.86) v28(76.97,-40.86) v28(78.19,-50.22) v28(79.33,-50.22) v28(83.63,-40.86) v28(83.63,-43.02) v28(84.61,-43.02) v28(87.5,-43.02) v28(88.45,-40.86) v28(89.4,-40.86) v29(58.45,-18.12) v29(58.77,-19.15) v29(59.56,-19.29) v29(59.74,-19.59) v29(60.62,-28.75) v29(60.81,-29.06) v29(62.93,-31.79) v29(63.6,-35.8) v29(63.6,-36.6) v29(63.9,-18.11) v29(63.9,-20.7) v29(64.33,-32.42) v29(64.42,-28.59) v29(64.6,-22.2) v29(64.69,-23.7) v29(64.96,-31) v29(65.13,-38.07) v29(65.21,-30.19) v29(65.21,-35) v29(65.5,-17.3) v29(65.5,-22.95) v29(65.93,-32.45) v29(66.32,-29.32) v29(66.7,-23.15) v29(66.72,-36.5) v29(66.8,-31.83) v29(66.8,-32.59) v29(66.8,-33.4) v29(66.8,-34.2) v29(66.8,-35) v29(67.1,-17.3) v29(67.52,-28.73) v29(67.52,-30.28) v29(67.6,-18.34) v29(68.28,-15.63) v29(68.26,-24.62) v29(68.32,-28.73) v29(68.32,-30.28) v29(68.32,-34.89) v29(68.32,-36.5) v29(68.4,-31.8) v29(68.4,-33.4) v29(68.87,-24.63) v29(69.12,-28.73) v29(69.12,-30.28) v29(69.12,-34.31) v29(69.49,-15.63) v29(69.5,-20.71) v29(69.92,-28.73) v29(69.92,-30.28) v29(69.92,-34.31) v29(70.3,-19.9) v29(70.62,-31.8) v29(70.62,-33.4) v29(70.72,-28.73) v29(70.72,-30.28) v29(70.72,-34.89) v29(71.08,-18.14) v29(71.4,-15.63) v29(71.52,-27.11) v29(71.52,-28.73) v29(71.52,-30.28) v29(71.51,-34.89) v29(71.52,-36.51) v29(71.52,-38.07) v29(71.9,-18.14) v29(72.22,-32.6) v29(72.22,-33.4) v29(72.32,-29.5) v29(72.4,-15.63) v29(72.6,-16.6) v29(72.7,-18.14) v29(72.7,-21.45) v29(73.19,-23.19) v29(73.19,-28.2) v29(73.86,-35.8) v29(73.86,-36.6) v29(75.25,-22.35) v29(75.27,-23.04) v29(75.5,-19.62) v29(75.8,-16.6) v29(75.8,-22.7) v29(75.77,-27.2) v29(76.22,-23) v29(76.3,-22.37) v29(76.89,-20.71) v29(78.11,-20.71) v29(79.33,-20.71) v29(80.58,-20.21) v29(81.86,-20.71) v29(83.06,-20.7) v29(84.27,-20.7) v30(54.13,-36.91) v30(54.92,-31.39) v30(54.92,-32.5) v30(56.39,-24.73) v30(57.7,-24.73) v30(58.2,-21.12) v30(58.61,-18.64) v30(58.88,-20.47) v30(58.89,-21.13) v30(58.91,-21.78) v30(58.98,-23.97) v30(59.53,-21.1) v30(59.65,-23.35) v30(59.67,-23.96) v30(59.7,-24.64) v30(59.67,-28.1) v30(60.22,-34.89) v30(60.21,-35.84) v30(60.29,-23.94) v30(60.74,-15.77) v30(61.68,-24.73) v30(62,-15.77) v30(62.11,-19.11) v30(62.78,-37.64) v30(62.98,-24.73) v30(63.08,-28.05) v30(63.47,-42.95) v30(64.1,-45.14) v30(66.34,-27.06) v30(68.2,-38.21) v30(69.05,-32.6) v30(72.95,-18.96) v30(73.69,-34.48) v30(75.2,-37.2) v30(75.18,-38.21) v30(75.8,-37.7) v30(76.39,-37.2) v30(76.36,-38.17) v30(78.86,-40.86) v30(79.81,-40.86) v30(81.72,-40.86) v30(82.67,-40.86) v30(84.49,-37.67) v30(84.5,-38.23) v30(84.58,-22.17) v30(84.59,-22.74) v30(85.15,-45.16) v30(85.4,-22.45) v30(85.4,-37.95) v30(86.23,-37.68) v30(86.23,-38.22) v30(86.25,-22.2) v30(86.26,-22.72) v30(86.41,-45.16) v30(86.52,-40.86)
